# Altium PCB 9046.PcbDoc
Units mil, origin at the board's own origin, x right, y up, seen from the top; angles counter-clockwise.
Board outline 1110.03 x 2095.03 mil, 2 copper layers (Top Layer, Bottom Layer); 33 components, 20 nets, 119 pads, 190 vias.
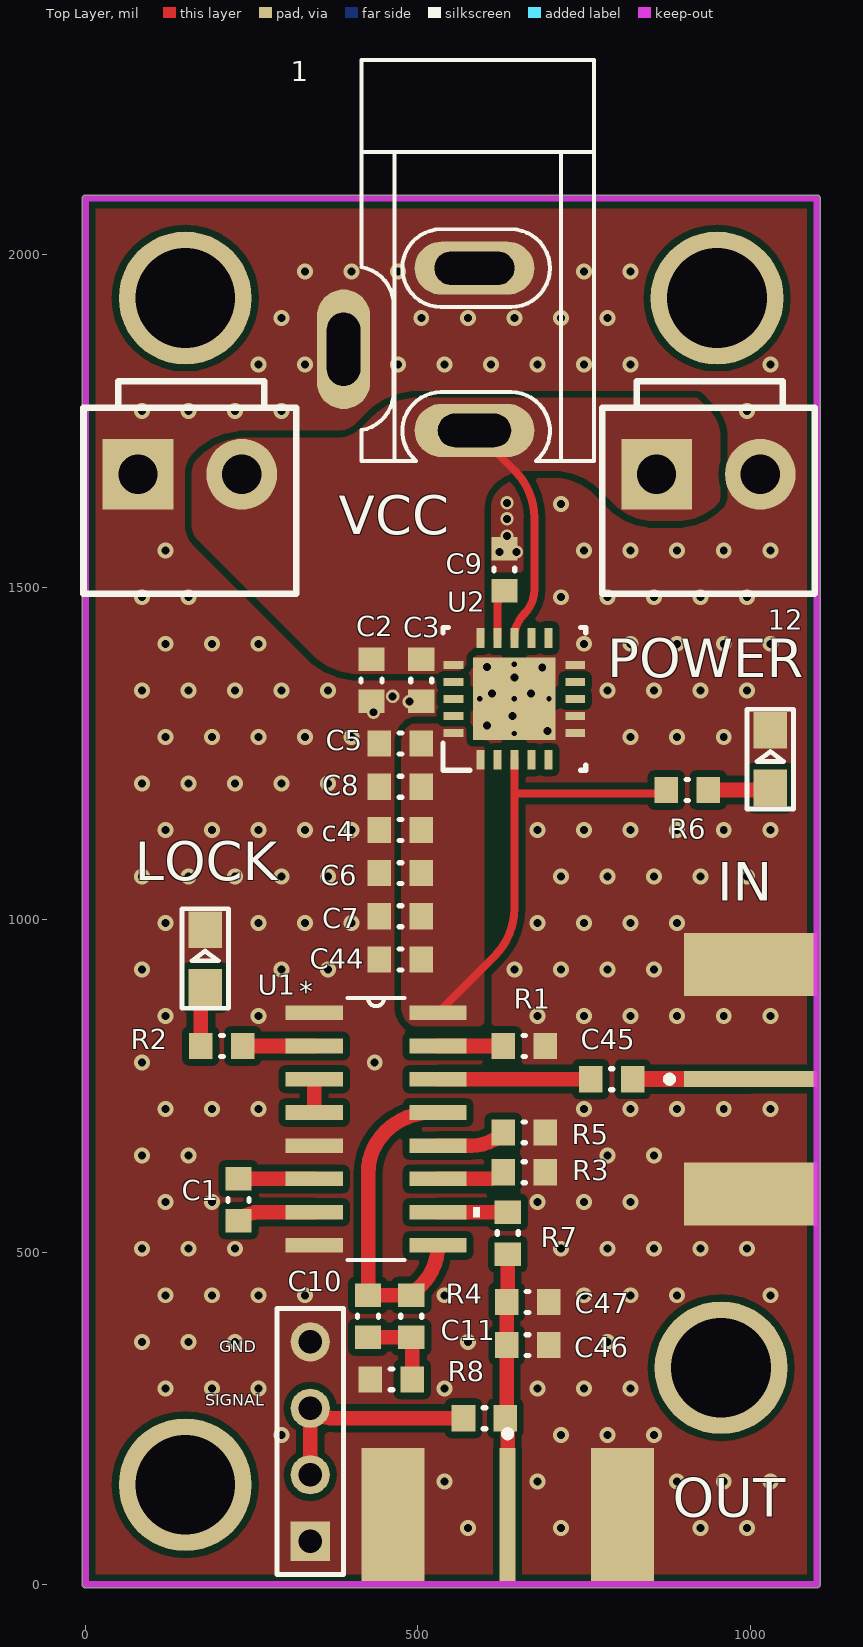
[diagram p0: Top Layer view]
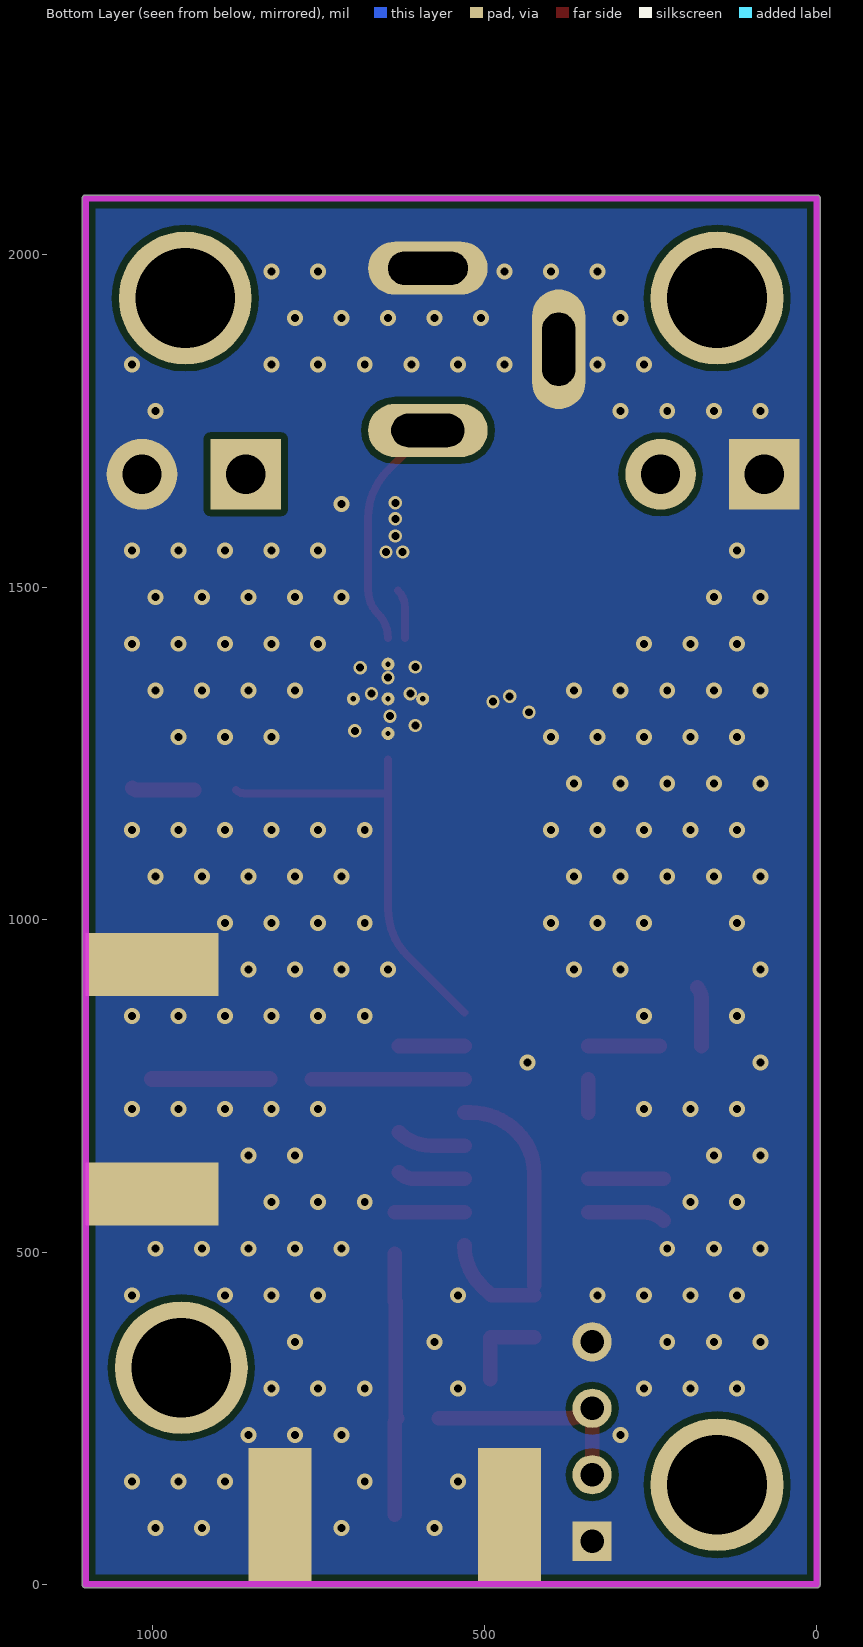
[diagram p1: Bottom Layer view, seen from below]

## Layer stack, top to bottom
Top Solder: solder mask 0.4, Solder Resist, Dk 3.5
Top Layer: signal copper 1.4
Dielectric 1: dielectric 12.6, FR-4, Dk 4.8
Bottom Layer: signal copper 1.4
Bottom Solder: solder mask 0.4, Solder Resist, Dk 3.5

## Board outline
-5.01,0 ccw(c0,0) 0,-5.02 1100,-5.02 ccw(c1100,0) 1105.01,0 1105.01,2085 ccw(c1100,2085) 1100,2090.02 0,2090.02 ccw(c0,2085) -5.01,2085

## Design rules (kind name [scope] priority, off if disabled: settings)
Clearance [All] p1: gap=10 ignorepadtopadclearanceinfootprint=FALSE except(0: Arc-Hole Track-Hole SMDPad-Hole THPad-Hole Via-Hole Fill-Hole Poly-Hole Region-Hole Text-Hole)
PlaneConnect [All] p1: planeconnectstyle=Direct reliefexpansion=20 reliefentries=4 reliefconductorwidth=10 reliefairgap=10
PolygonConnect [All] p1: connectstyle=Direct reliefconductorwidth=10 reliefentries=4 polygonreliefangle="90 Angle" airgapwidth=10
RoutingVias [All] p1: holewidth=28 width=50 viastyle="Through Hole" minholewidth=28 minwidth=50 maxholewidth=28 maxwidth=50
SolderMaskExpansion [All] p1: expansion=4
Width [All] p1: maxlimit=50 minlimit=10 preferedwidth=22
29 further rules are at their usual default settings.

## Components (designator, comment, footprint, x,y, rotation, side; value= is the part's Value field where it differs from the comment)
1 "DC005" DC10B 415,2155 r270 top
12 "3.96" 3.96 936.95,1670 r0 top
C1 "100pF" 0603C 230,578.5 r90 top
C2 "10uf" 0603C 430,1360 r90 top
C3 "100pF" 0603C 505,1360 r90 top
c4 "10uf" 0603C 473.5,1135 r0 top
C5 "10uf" 0603C 473.5,1265 r0 top
C6 "10uf" 0603C 473.5,1070 r0 top
C7 "10uf" 0603C 473.5,1005 r0 top
C8 "10uf" 0603C 473.5,1200 r0 top
C9 "1uf" 0603C 630,1526.5 r270 top
C10 "??" 0603C 425,403.5 r270 top
C11 "??" 0603C 460,308.5 r180 top
C44 "100pF" 0603C 473.5,940 r0 top
C45 "100pF" 0603C 791.5,760 r180 top
C46 "100pF" 0603C 665,360 r0 top
C47 "100pF" 0603C 665,425 r0 top
IN "SMA" SMA 904,765 r180 top (schematic designator P1)
LOCK "LED" SMDLED 179.94,897.96 r90 top (schematic designator LD1)
OUT "SMA" SMA 640,201 r90 top (schematic designator P2)
POWER "LED" SMDLED 1029.94,1197.96 r90 top (schematic designator LD2)
R1 "40k" 0603R 660,810 r180 top
R2 "0R" 0603R 205,810 r180 top
R3 "3k" 0603R 660,620 r180 top
R4 "??" 0603R 490,403.5 r90 top
R5 "0R" 0603R 660,680 r180 top
R6 "0R" 0603R 905,1195 r0 top
R7 "0R" 0603R 635,528.5 r270 top
R8 "0R" 0603R 600,250 r180 top
SIGNAL "Header 4" HDR1X4 338,65 r90 top (schematic designator P3)
U1 "CD74HC9046AM" D16 437,685 r0 top
U2 "TPS7A4701QRGWRQ1" RGW0020A 645,1332.17 r90 top value=Value
VCC "3.96" 3.96 156.95,1670 r0 top (schematic designator 13)

## Footprints (in the part's own frame and the unit in brackets; to place one, negate y for a bottom-side part, rotate by r counter-clockwise, add the part's x,y. Pads: shape width x height; smd on the part's side, far side on the other; paste and mask are expansions set on the pad)
3.96 [mm] "接插件，25V/5A"
  rect 2.7x2.7 hole 1.5: 1(-1.98,0)
  round 2.7 hole 1.5: 2(1.982,0)
  silkscreen extent -4.06,-4.57 4.07,3.56, body extent -3.98,-4.4 4.03,4.16, height 10.5
0603C [mm] "Chip Capacitor, Body 1.6x0.8mm, Height 1.0mm, IPC Medium Density"
  rect 0.9x1 smd: 1(-0.8,0) 2(0.8,0)
  silkscreen extent -0.05,-0.4 0.05,0.4, body extent -0.87,-0.48 0.88,0.47, height 1
0603R [mm] "Chip Resistor, Body 1.6x0.8mm, IPC Medium Density"
  rect 0.9x1 smd: 1(-0.8,0) 2(0.8,0)
  silkscreen extent -0.05,-0.4 0.05,0.4, body extent -0.85,-0.47 0.85,0.47, height 0.6
D16 [mil]
  rect 86x22 smd: 1(-93,175) 2(-93,125) 3(-93,75) 4(-93,25) 5(-93,-25) 6(-93,-75) 7(-93,-125) 8(-93,-175) 9(93,-175) 10(93,-125) 11(93,-75) 12(93,-25) 13(93,25) 14(93,75) 15(93,125) 16(93,175)
  silkscreen extent -43,-197 156,197, body extent 0,0 10,10, height 10
DC10B [mil]
  oval 80x180 hole 50 slot 110 at 90 deg: 1(419.09,170)
  oval 80x180 hole 50 slot 120 at 90 deg: 2(175,170)
  oval 180x80 hole 50 slot 110 at 0 deg: 3(297.05,-26.85)
  silkscreen extent -138,0 465,350
HDR1X4 [mm]
  rect 1.5x1.5 hole 0.9: 1(0,0)
  round 1.5 hole 0.9: 2(2.54,0) 3(5.08,0) 4(7.62,0)
  silkscreen extent -1.27,-1.27 8.89,1.27
RGW0020A [mm]
  rect 0.75x0.31 smd paste+0 mask+0: 1(-2.325,1.3) 2(-2.325,0.65) 3(-2.325,0) 4(-2.325,-0.65) 5(-2.325,-1.3) 11(2.325,-1.3) 12(2.325,-0.65) 13(2.325,0) 14(2.325,0.65) 15(2.325,1.3)
  rect 0.31x0.75 smd paste+0 mask+0: 6(-1.3,-2.325) 7(-0.65,-2.325) 8(0,-2.325) 9(0.65,-2.325) 10(1.3,-2.325) 16(1.3,2.325) 17(0.65,2.325) 18(0,2.325) 19(-0.65,2.325) 20(-1.3,2.325)
  rect 3.15x3.15 smd paste-1.562 mask+0: 21(0,0)
  round 0.5 hole 0.203 mask+0: V(-1.325,0) V(0,1.325) V(0,0) V(0,-1.325) V(1.325,0)
  silkscreen extent -2.73,-2.73 2.73,2.73, body extent 0,0 0.25,0.25, height 0.25
SMA [mil]
  rect 200x24 smd: 1(-96,5)
  rect 200x95 smd: 2(-96,177.5) 2(-96,-167.5)
  rect 200x95 smd far side: 2(-96,177.5) 2(-96,177.5) 2(-96,-167.5)
  silkscreen extent 21,0 31,10, body extent -571,-183 -9,192, height 171
SMDLED [mm]
  rect 1.4x1.27 smd: 1(0.001,-0.002) 2(2.211,-0.002)
  silkscreen extent -0.8,-0.89 3.01,0.89

## Part data
C1 C2 C3 c4 C5 C6 C7 C8 C9 C10 C11 C44 C45 C46 C47: library part C, "Capacitor"
IN OUT: "SMA Connector"
LOCK POWER: "Typical RED, GREEN, YELLOW, AMBER GaAs LED", PackageDocument=Feb-2002, LatestRevisionDate=17-Jul-2002, LatestRevisionNote="Re-released for DXP Platform.", PackageReference=3.2X1.6X1.1, Published=8-Jun-2000, Publisher="Altium Limited"
R1 R2 R3 R4 R5 R6 R7 R8: library part Resistor, "Resistor"
SIGNAL: "Header, 4-Pin", LatestRevisionDate=17-Jul-2002, LatestRevisionNote="Re-released for DXP Platform.", Publisher="Altium Limited"
U1: "High Speed CMOS Logic Phase-Locked Loop with VCO and Lock Detector", Manufacturer="Texas Instruments", PACKAGE_DESIGNATOR=D, Copyright="Copyright (C) 2018 Accelerated Designs. All rights reserved", Datasheet_URL=http://www.ti.com/lit/gpn/CD74HC7046A, FAMILY_NAME=PHASE-LOCKED-LOOP/OSCILLATOR, GENERIC_PART_NUMBER=CD74HC7046A, INDUSTRY_STD_PKG_TYPE=SOIC, PIN_COUNT=16, RefDes=RefDes, Type=DEV
U2: "No Description Available", Manufacturer="Texas Instruments", Copyright="Copyright (C) 2018 Accelerated Designs. All rights reserved", PartNumber=TPS7A4701QRGWRQ1, RefDes=RefDes, Type=DEV

## Free pads (board coordinates)
  round 200 hole 150: 2(150,150) 2(150,1935) 2(950,1935) 2(956,326)

## Via types
v1: diameter 24, hole 12, Top Layer to Bottom Layer, tented both sides, 174 vias
v2: diameter 20, hole 12, Top Layer to Bottom Layer, tented both sides, 16 vias

## Nets (pads, with @x,y where several pads share a name; then routed paths per layer and width w, separated by ;. In a path a pad name is that pad's centre, name@x,y a point inside that pad or via, vN(x,y) a via of type N, cw(c..) or ccw(c..) an arc to the next point about the centre after c; other vN are vias at no path point)
5v: c4.2 C5.2 C6.2 C7.2 C8.2 C44.2 R6.1 U1.16 U2.1 U2.3 U2.20 | length 653.8
  Top Layer w12: U1.16 615.71,945.71 ccw(c545,1016.42) 645,1016.42 645,1190 ; U2.3 645,1190 ; R6.1 cw(c861.43,1207.07) 861.43,1190 645,1190
34: U1.3 U1.4 | length 50
  Top Layer w22: U1.4 U1.3
GND: 1.2 1.3 12.2 C2.1 C3.1 c4.1 C5.1 C6.1 C7.1 C8.1 C9.1 C11.2 C44.1 C46.2 C47.2 IN.2 LOCK.2 OUT.2 POWER.2 R1.1 R3.1 R5.1 SIGNAL.1 SIGNAL.4 U1.1 U1.5 U1.8 U2.6 U2.7 U2.10 U2.21 U2.V VCC.1
  other v1: 575,85 715,85 925,85 995,85 540,155 680,155 890,155 960,155 1030,155 295,225 715,225 785,225 855,225 120,295 190,295 260,295 540,295 680,295 750,295 820,295 85,365 155,365 225,365 575,365 785,365 120,435 190,435 260,435 330,435 540,435 750,435 820,435 890,435 1030,435 85,505 155,505 225,505 715,505 785,505 855,505 925,505 995,505 120,575 190,575 680,575 750,575 820,575 85,645 155,645 785,645 855,645 120,715 190,715 260,715 750,715 820,715 890,715 960,715 1030,715 85,785 435,785 120,855 260,855 680,855 750,855 820,855 890,855 960,855 1030,855 85,925 295,925 365,925 645,925 715,925 785,925 855,925 120,995 260,995 330,995 400,995 680,995 750,995 820,995 890,995 85,1065 155,1065 225,1065 295,1065 365,1065 715,1065 785,1065 855,1065 925,1065 995,1065 120,1135 190,1135 260,1135 330,1135 400,1135 680,1135 750,1135 820,1135 890,1135 960,1135 1030,1135 85,1205 155,1205 225,1205 295,1205 365,1205 120,1275 190,1275 260,1275 330,1275 400,1275 820,1275 890,1275 960,1275 85,1345 155,1345 225,1345 295,1345 365,1345 785,1345 855,1345 925,1345 995,1345 120,1415 190,1415 260,1415 750,1415 820,1415 890,1415 960,1415 1030,1415 85,1485 155,1485 715,1485 785,1485 855,1485 925,1485 995,1485 120,1555 750,1555 820,1555 890,1555 960,1555 1030,1555 715,1625 85,1765 155,1765 225,1765 295,1765 995,1765 260,1835 330,1835 470,1835 540,1835 610,1835 680,1835 750,1835 820,1835 1030,1835 295,1905 505,1905 575,1905 645,1905 715,1905 785,1905 330,1975 400,1975 470,1975 750,1975 820,1975
  other v2: 695,1284 604,1292 642,1306 433,1312 487,1328 462,1336 611.53,1339.91 670,1340 645,1364.1 687,1379 604,1380 623,1553 648,1553 634,1577 634,1603 634,1627
Net1_1: 1.1 12.1 C2.2 C3.2 U2.13 U2.15 U2.16 VCC.2 | length 353.2
  Top Layer w12: 1.1 645.71,1675.2 cw(c575,1604.48) 675,1604.48 675,1496.21 cw(c623.79,1496.21) 660,1460 ccw(c696.21,1423.79) 645,1423.79 U2.13
NetC1_1: C1.1 U1.7 | length 117.5
  Top Layer w22: C1.1 cw(c261.37,515.64) 261.37,560 U1.7
NetC1_2: C1.2 U1.6 | length 114
  Top Layer w22: C1.2 U1.6
NetC9_2: C9.2 U2.14 | length 74.1
  Top Layer w12: U2.14 619.41,1469.43 cw(c655.57,1469.43) C9.2
NetC10_1: C10.1 R4.2 U1.9 U1.13 | length 477.6
  Top Layer w22: C10.1 R4.2 505.25,450.25 ccw(c445.5,510) U1.9 ; C10.1@425,450 425,618.64 cw(c512.78,618.64) 450.71,680.71 cw(c521.42,610) 521.42,710 U1.13
NetC10_2: C10.2 C11.1 R4.1 | length 128.9
  Top Layer w22: C10.2 R4.1 cw(c486.39,368.4) 491.5,368.4 C11.1
NetC45_1: C45.1 IN.1 | length 177
  Top Layer w24: C45.1 IN.1
NetC45_2: C45.2 U1.14 | length 230
  Top Layer w22: U1.14 C45.2
NetC46_1: C46.1 C47.1 OUT.1 R7.2 R8.1 | length 393.9
  Top Layer w22: OUT.1 635,241.54 ccw(c623.04,241.54) R8.1 ccw(c626.65,254.85) 633.5,254.85 C46.1 C47.1 ccw(c629.89,428.61) 635,428.61 R7.2
NetLD1_1: LOCK.1 R2.2 | length 89.7
  Top Layer w22: R2.2 173.5,882.31 cw(c195.68,882.31) LOCK.1
NetLD2_1: POWER.1 R6.2 | length 94.3
  Top Layer w22: R6.2 1022.78,1195 ccw(c1022.78,1205.22) POWER.1
NetP3_2: R8.2 SIGNAL.2 SIGNAL.3 | length 334.5
  Top Layer w22: SIGNAL.2 SIGNAL.3 ccw(c374.21,301.21) 374.21,250 R8.2
NetR1_2: R1.2 U1.15 | length 98.5
  Top Layer w22: U1.15 R1.2
NetR2_1: R2.1 U1.2 | length 107.5
  Top Layer w22: R2.1 U1.2
NetR3_2: R3.2 U1.11 | length 101.2
  Top Layer w22: U1.11 604.36,610 ccw(c604.36,644.14) R3.2
NetR5_2: R5.2 U1.12 | length 103.8
  Top Layer w22: U1.12 580.22,660 ccw(c580.22,728.28) R5.2
NetR7_1: R7.1 U1.10 | length 105
  Top Layer w22: U1.10 R7.1
pads on no net: U2.2 U2.4 U2.5 U2.8 U2.9 U2.11 U2.12 U2.17 U2.18 U2.19

## Polygon pours and split planes (outlines as drawn)
GND on Top Layer "Top Layer-No Net" (solid, remove dead copper, pour order 8): 0,2085 1100,2085 1100,0 0,0
Net1_1 on Top Layer "Top Layer-No Net" (solid, remove dead copper, pour order 6): 501.42,1785 ccw(c501.42,1685) 430.71,1755.71 415,1740 cw(c378.79,1776.21) 378.79,1725 241.42,1725 ccw(c241.42,1625) 170.71,1695.71 170,1695 ccw(c194.14,1670.86) 160,1670.86 160,1594.14 ccw(c194.14,1594.14) 170,1570 340.71,1399.29 ccw(c411.42,1470) 411.42,1370 545.86,1370 ccw(c545.86,1404.14) 570,1380 ccw(c557.93,1392.07) 575,1392.07 575,1395 cw(c587.07,1395) 578.54,1403.54 581.46,1406.46 cw(c590,1397.93) 590,1410 ccw(c590,1422.07) 598.54,1413.54 600,1415 600,1618.79 cw(c651.21,1618.79) 615,1655 cw(c663.28,1606.72) 663.28,1675 705,1675 cw(c705,1578.43) 773.28,1646.72 795.25,1624.75 ccw(c855,1684.5) 855,1600 889.64,1600 ccw(c889.64,1685.36) 950,1625 ccw(c937.93,1637.07) 955,1637.07 955,1725 ccw(c894.64,1725) 937.32,1767.68 920,1785
5v on Top Layer "Top Layer-No Net" (solid, remove dead copper, pour order 2): 485,1290 cw(c497.07,1277.93) 497.07,1295 557.93,1295 cw(c557.93,1277.94) 570,1290 cw(c557.94,1277.93) 575,1277.93 575,1275 ccw(c587.07,1275) 578.54,1266.46 580,1265 ccw(c592.07,1277.07) 592.07,1260 600,1260 600,845 598.54,843.54 cw(c590,852.06) 590,840 497.07,840 cw(c497.07,857.07) 485,845 cw(c509.14,869.14) 475,869.14 475,1265.86 cw(c509.14,1265.86)
GND on Bottom Layer "Top Layer-No Net" (solid, remove dead copper, pour order 10): 0,2085 1100,2085 1100,0 0,0

## Keep-outs
Keep-Out Layer:
  lines w10: 0,0 0,2085 1100,2085 1100,0 0,0

## Silkscreen, mask and mechanical layers (free items; w line width, h text height)
Top Overlay:
  text "GND" at 201,343 h30

## Text inside footprints (layer, text, board x,y; h text height)
U1: Top Overlay "*" at 321.5,877 h30; Mechanical 13 "*" at 321.5,877 h30